# Altium PCB amp.PcbDoc (part 18 of 20)
Units mm, origin at the board's own origin, x right, y up, seen from the top; angles counter-clockwise.
Board outline 210 x 210 mm, 2 copper layers (Top Layer, Bottom Layer); 742 components, 1354 nets, 6402 pads, 5154 vias.
Unrouted connection lines stored in the file: 702.
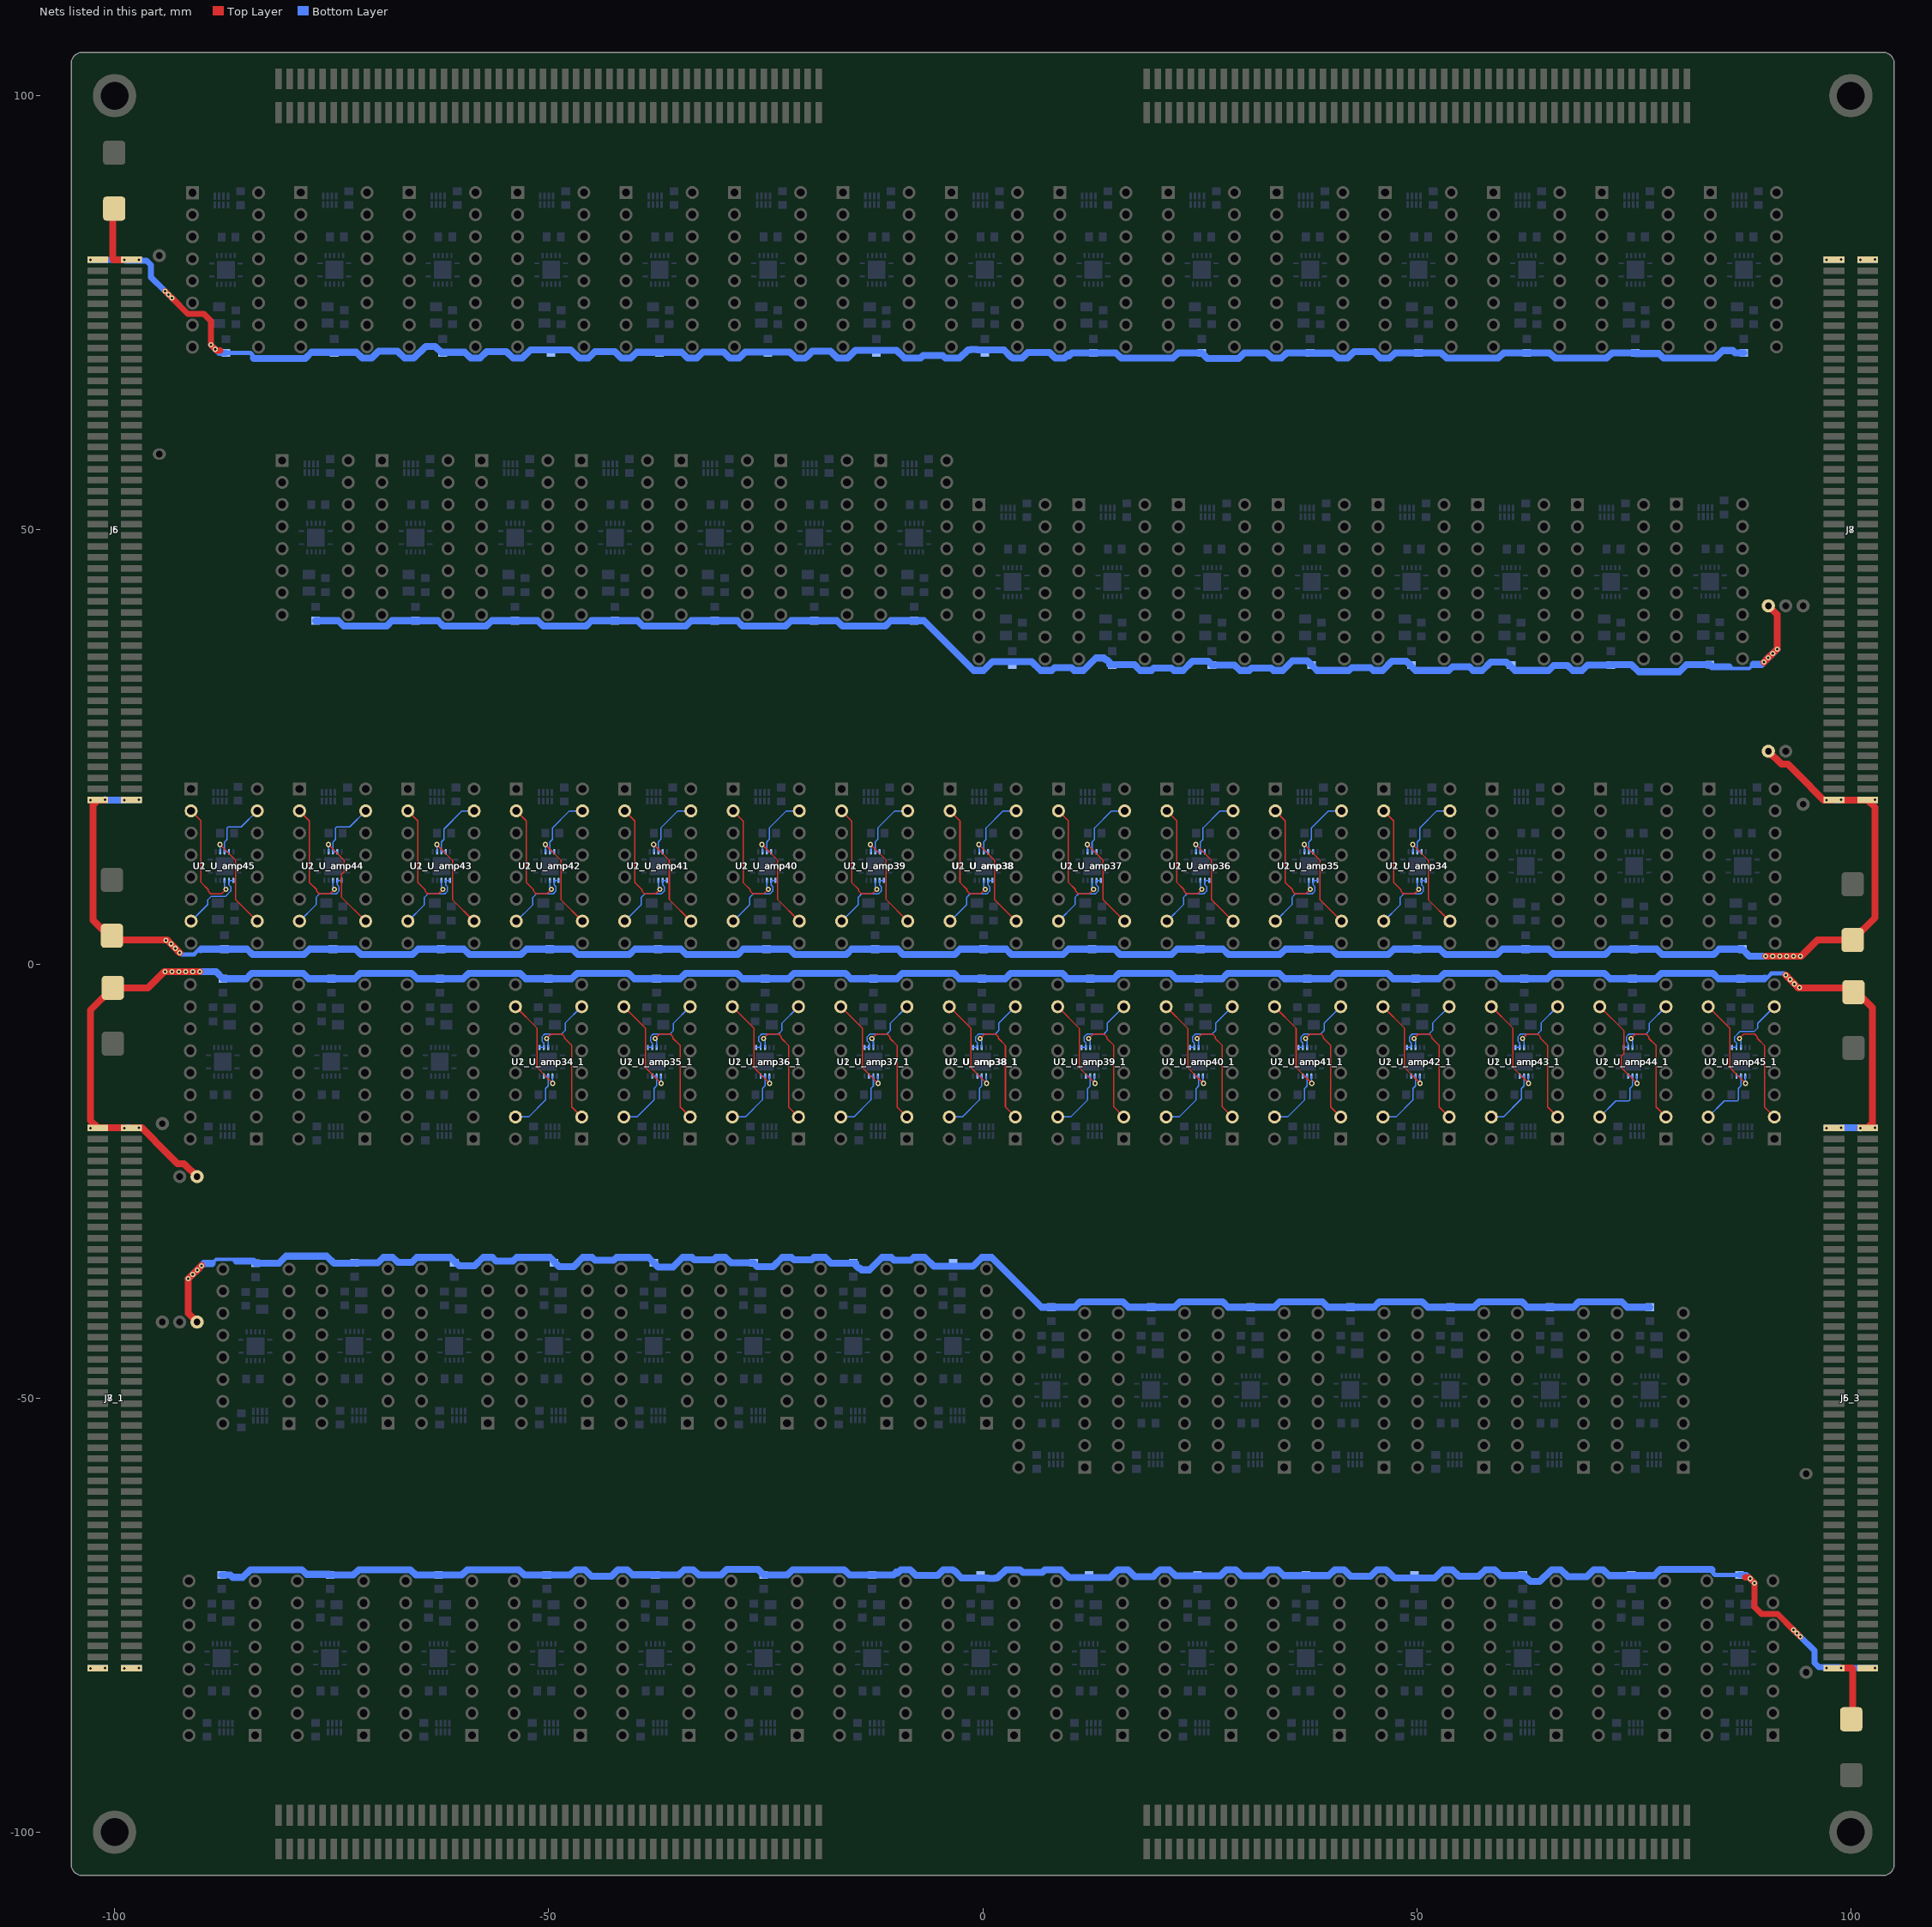
[diagram p18: the nets of this part, all layers, seen from the top]

## Via types
v1: diameter 0.6, hole 0.3, Top Layer to Bottom Layer, tented both sides, 4704 vias
v2: diameter 0.5, hole 0.3, Top Layer to Bottom Layer, 450 vias

## Nets (pads, with @x,y where several pads share a name; then routed paths per layer and width w, separated by ;. In a path a pad name is that pad's centre, name@x,y a point inside that pad or via, vN(x,y) a via of type N, cw(c..) or ccw(c..) an arc to the next point about the centre after c; other vN are vias at no path point) (continued)
NetU1_U_amp34_2: U1_U_amp34.2 U1_U_amp34.3 U1_U_amp34_1.2 U1_U_amp34_1.3 U2_U_amp34.7 U2_U_amp34_1.7 | length 16.6
  Bottom Layer w0.15: U1_U_amp34_1.2@-51.064,-9.618 U1_U_amp34_1.3@-50.564,-9.618 -50.556,-9.61 -50.556,-9.108 -50.765,-8.9 -50.765,-8.383 -50.449,-8.067 -48.509,-8.067 -48.102,-7.66 -48.102,-6.828 U2_U_amp34_1.7@-46.197,-4.923 ; U2_U_amp34.7@46.197,4.923 48.102,6.828 48.102,7.66 48.509,8.067 50.449,8.067 50.765,8.383 50.765,8.9 50.556,9.108 50.556,9.61 U1_U_amp34.3@50.564,9.618 U1_U_amp34.2@51.064,9.618
NetU1_U_amp34_4: U1_U_amp34.4 U1_U_amp34_1.4 U2_U_amp34.2 U2_U_amp34_1.2 | length 27.1
  Top Layer w0.15: v1(-50.24,-8.6) -49.714,-8.075 -48.475,-8.075 -48.167,-8.383 -48.167,-8.567 -47.344,-9.391 -47.344,-16.477 U2_U_amp34_1.2@-46.197,-17.623 ; U2_U_amp34.2@46.197,17.623 47.344,16.477 47.344,9.391 48.167,8.567 48.167,8.383 48.475,8.075 49.714,8.075 v1(50.24,8.6)
  Bottom Layer w0.15: U1_U_amp34_1.4@-50.064,-9.618 v1@-50.064,-8.54 ; v1@50.064,8.54 U1_U_amp34.4@50.064,9.618
NetU1_U_amp34_10: U1_U_amp34.10 U1_U_amp34_1.10 U2_U_amp34.10 U2_U_amp34_1.10 | length 22.9
  Top Layer w0.15: U2_U_amp34_1.10@-53.817,-4.923 -51.327,-7.414 -51.327,-11.954 v1(-49.524,-13.756) ; v1(49.524,13.756) 51.327,11.954 51.327,7.414 U2_U_amp34.10@53.817,4.923
  Bottom Layer w0.15: U1_U_amp34_1.10@-49.564,-12.918 -49.564,-13.716 v1(-49.524,-13.756) ; v1(49.524,13.756) 49.564,13.716 U1_U_amp34.10@49.564,12.918
NetU1_U_amp34_11: U1_U_amp34.11 U1_U_amp34.12 U1_U_amp34_1.11 U1_U_amp34_1.12 U2_U_amp34.15 U2_U_amp34_1.15 | length 15.3
  Bottom Layer w0.15: U2_U_amp34_1.15@-53.817,-17.623 -52.315,-17.623 -50.353,-15.661 -50.353,-14.341 -50.064,-14.052 U1_U_amp34_1.11@-50.064,-12.918 U1_U_amp34_1.12@-50.564,-12.918 ; U1_U_amp34.12@50.564,12.918 U1_U_amp34.11@50.064,12.918 50.064,14.052 50.353,14.341 50.353,15.661 52.315,17.623 U2_U_amp34.15@53.817,17.623
NetU1_U_amp35_2: U1_U_amp35.2 U1_U_amp35.3 U1_U_amp35_1.2 U1_U_amp35_1.3 U2_U_amp35.7 U2_U_amp35_1.7 | length 16.6
  Bottom Layer w0.15: U1_U_amp35_1.2@-38.574,-9.618 U1_U_amp35_1.3@-38.074,-9.618 -38.066,-9.61 -38.066,-9.108 -38.274,-8.9 -38.274,-8.383 -37.958,-8.067 -36.018,-8.067 -35.612,-7.66 -35.612,-6.828 U2_U_amp35_1.7@-33.707,-4.923 ; U2_U_amp35.7@33.707,4.923 35.612,6.828 35.612,7.66 36.018,8.067 37.958,8.067 38.274,8.383 38.274,8.9 38.066,9.108 38.066,9.61 U1_U_amp35.3@38.074,9.618 U1_U_amp35.2@38.574,9.618
NetU1_U_amp35_4: U1_U_amp35.4 U1_U_amp35_1.4 U2_U_amp35.2 U2_U_amp35_1.2 | length 27.1
  Top Layer w0.15: v1(-37.749,-8.6) -37.224,-8.075 -35.985,-8.075 -35.677,-8.383 -35.677,-8.567 -34.854,-9.391 -34.854,-16.477 U2_U_amp35_1.2@-33.707,-17.623 ; U2_U_amp35.2@33.707,17.623 34.854,16.477 34.854,9.391 35.677,8.567 35.677,8.383 35.985,8.075 37.224,8.075 v1(37.749,8.6)
  Bottom Layer w0.15: U1_U_amp35_1.4@-37.574,-9.618 v1@-37.574,-8.54 ; v1@37.574,8.54 U1_U_amp35.4@37.574,9.618
NetU1_U_amp35_10: U1_U_amp35.10 U1_U_amp35_1.10 U2_U_amp35.10 U2_U_amp35_1.10 | length 22.9
  Top Layer w0.15: U2_U_amp35_1.10@-41.327,-4.923 -38.837,-7.414 -38.837,-11.954 v1(-37.034,-13.756) ; v1(37.034,13.756) 38.837,11.954 38.837,7.414 U2_U_amp35.10@41.327,4.923
  Bottom Layer w0.15: U1_U_amp35_1.10@-37.074,-12.918 -37.074,-13.716 v1(-37.034,-13.756) ; v1(37.034,13.756) 37.074,13.716 U1_U_amp35.10@37.074,12.918
NetU1_U_amp35_11: U1_U_amp35.11 U1_U_amp35.12 U1_U_amp35_1.11 U1_U_amp35_1.12 U2_U_amp35.15 U2_U_amp35_1.15 | length 15.3
  Bottom Layer w0.15: U2_U_amp35_1.15@-41.327,-17.623 -39.825,-17.623 -37.863,-15.661 -37.863,-14.341 -37.574,-14.052 U1_U_amp35_1.11@-37.574,-12.918 U1_U_amp35_1.12@-38.074,-12.918 ; U1_U_amp35.12@38.074,12.918 U1_U_amp35.11@37.574,12.918 37.574,14.052 37.863,14.341 37.863,15.661 39.825,17.623 U2_U_amp35.15@41.327,17.623
NetU1_U_amp36_2: U1_U_amp36.2 U1_U_amp36.3 U1_U_amp36_1.2 U1_U_amp36_1.3 U2_U_amp36.7 U2_U_amp36_1.7 | length 16.6
  Bottom Layer w0.15: U1_U_amp36_1.2@-26.084,-9.618 U1_U_amp36_1.3@-25.584,-9.618 -25.576,-9.61 -25.576,-9.108 -25.784,-8.9 -25.784,-8.383 -25.468,-8.067 -23.528,-8.067 -23.122,-7.66 -23.122,-6.828 U2_U_amp36_1.7@-21.217,-4.923 ; U2_U_amp36.7@21.217,4.923 23.122,6.828 23.122,7.66 23.528,8.067 25.468,8.067 25.784,8.383 25.784,8.9 25.576,9.108 25.576,9.61 U1_U_amp36.3@25.584,9.618 U1_U_amp36.2@26.084,9.618
NetU1_U_amp36_4: U1_U_amp36.4 U1_U_amp36_1.4 U2_U_amp36.2 U2_U_amp36_1.2 | length 27.1
  Top Layer w0.15: v1(-25.259,-8.6) -24.734,-8.075 -23.495,-8.075 -23.187,-8.383 -23.187,-8.567 -22.363,-9.391 -22.363,-16.477 U2_U_amp36_1.2@-21.217,-17.623 ; U2_U_amp36.2@21.217,17.623 22.363,16.477 22.363,9.391 23.187,8.567 23.187,8.383 23.495,8.075 24.734,8.075 v1(25.259,8.6)
  Bottom Layer w0.15: U1_U_amp36_1.4@-25.084,-9.618 v1@-25.084,-8.54 ; v1@25.084,8.54 U1_U_amp36.4@25.084,9.618
NetU1_U_amp36_10: U1_U_amp36.10 U1_U_amp36_1.10 U2_U_amp36.10 U2_U_amp36_1.10 | length 22.9
  Top Layer w0.15: U2_U_amp36_1.10@-28.837,-4.923 -26.346,-7.414 -26.346,-11.954 v1(-24.544,-13.756) ; v1(24.544,13.756) 26.346,11.954 26.346,7.414 U2_U_amp36.10@28.837,4.923
  Bottom Layer w0.15: U1_U_amp36_1.10@-24.584,-12.918 -24.584,-13.716 v1(-24.544,-13.756) ; v1(24.544,13.756) 24.584,13.716 U1_U_amp36.10@24.584,12.918
NetU1_U_amp36_11: U1_U_amp36.11 U1_U_amp36.12 U1_U_amp36_1.11 U1_U_amp36_1.12 U2_U_amp36.15 U2_U_amp36_1.15 | length 15.3
  Bottom Layer w0.15: U2_U_amp36_1.15@-28.837,-17.623 -27.335,-17.623 -25.373,-15.661 -25.373,-14.341 -25.084,-14.052 U1_U_amp36_1.11@-25.084,-12.918 U1_U_amp36_1.12@-25.584,-12.918 ; U1_U_amp36.12@25.584,12.918 U1_U_amp36.11@25.084,12.918 25.084,14.052 25.373,14.341 25.373,15.661 27.335,17.623 U2_U_amp36.15@28.837,17.623
NetU1_U_amp37_2: U1_U_amp37.2 U1_U_amp37.3 U1_U_amp37_1.2 U1_U_amp37_1.3 U2_U_amp37.7 U2_U_amp37_1.7 | length 16.6
  Bottom Layer w0.15: U1_U_amp37_1.2@-13.594,-9.618 U1_U_amp37_1.3@-13.094,-9.618 -13.086,-9.61 -13.086,-9.108 -13.294,-8.9 -13.294,-8.383 -12.978,-8.067 -11.038,-8.067 -10.631,-7.66 -10.631,-6.828 U2_U_amp37_1.7@-8.727,-4.923 ; U2_U_amp37.7@8.727,4.923 10.631,6.828 10.631,7.66 11.038,8.067 12.978,8.067 13.294,8.383 13.294,8.9 13.086,9.108 13.086,9.61 U1_U_amp37.3@13.094,9.618 U1_U_amp37.2@13.594,9.618
NetU1_U_amp37_4: U1_U_amp37.4 U1_U_amp37_1.4 U2_U_amp37.2 U2_U_amp37_1.2 | length 27.1
  Top Layer w0.15: v1(-12.769,-8.6) -12.244,-8.075 -11.004,-8.075 -10.697,-8.383 -10.697,-8.567 -9.873,-9.391 -9.873,-16.477 U2_U_amp37_1.2@-8.727,-17.623 ; U2_U_amp37.2@8.727,17.623 9.873,16.477 9.873,9.391 10.697,8.567 10.697,8.383 11.004,8.075 12.244,8.075 v1(12.769,8.6)
  Bottom Layer w0.15: U1_U_amp37_1.4@-12.594,-9.618 v1@-12.594,-8.54 ; v1@12.594,8.54 U1_U_amp37.4@12.594,9.618
NetU1_U_amp37_10: U1_U_amp37.10 U1_U_amp37_1.10 U2_U_amp37.10 U2_U_amp37_1.10 | length 22.9
  Top Layer w0.15: U2_U_amp37_1.10@-16.347,-4.923 -13.856,-7.414 -13.856,-11.954 v1(-12.054,-13.756) ; v1(12.054,13.756) 13.856,11.954 13.856,7.414 U2_U_amp37.10@16.347,4.923
  Bottom Layer w0.15: U1_U_amp37_1.10@-12.094,-12.918 -12.094,-13.716 v1(-12.054,-13.756) ; v1(12.054,13.756) 12.094,13.716 U1_U_amp37.10@12.094,12.918
NetU1_U_amp37_11: U1_U_amp37.11 U1_U_amp37.12 U1_U_amp37_1.11 U1_U_amp37_1.12 U2_U_amp37.15 U2_U_amp37_1.15 | length 15.3
  Bottom Layer w0.15: U2_U_amp37_1.15@-16.347,-17.623 -14.844,-17.623 -12.883,-15.661 -12.883,-14.341 -12.594,-14.052 U1_U_amp37_1.11@-12.594,-12.918 U1_U_amp37_1.12@-13.094,-12.918 ; U1_U_amp37.12@13.094,12.918 U1_U_amp37.11@12.594,12.918 12.594,14.052 12.883,14.341 12.883,15.661 14.844,17.623 U2_U_amp37.15@16.347,17.623
NetU1_U_amp38_2: U1_U_amp38.2 U1_U_amp38.3 U1_U_amp38_1.2 U1_U_amp38_1.3 U2_U_amp38.7 U2_U_amp38_1.7 | length 16.6
  Bottom Layer w0.15: U2_U_amp38.7@-3.763,4.923 -1.859,6.828 -1.859,7.66 -1.452,8.067 0.488,8.067 0.804,8.383 0.804,8.9 0.596,9.108 0.596,9.61 U1_U_amp38.3@0.604,9.618 U1_U_amp38.2@1.104,9.618 ; U1_U_amp38_1.2@-1.104,-9.618 U1_U_amp38_1.3@-0.604,-9.618 -0.596,-9.61 -0.596,-9.108 -0.804,-8.9 -0.804,-8.383 -0.488,-8.067 1.452,-8.067 1.859,-7.66 1.859,-6.828 U2_U_amp38_1.7@3.763,-4.923
NetU1_U_amp38_4: U1_U_amp38.4 U1_U_amp38_1.4 U2_U_amp38.2 U2_U_amp38_1.2 | length 27.1
  Top Layer w0.15: U2_U_amp38.2@-3.763,17.623 -2.617,16.477 -2.617,9.391 -1.793,8.567 -1.793,8.383 -1.486,8.075 -0.246,8.075 v1(0.279,8.6) ; v1(-0.279,-8.6) 0.246,-8.075 1.486,-8.075 1.793,-8.383 1.793,-8.567 2.617,-9.391 2.617,-16.477 U2_U_amp38_1.2@3.763,-17.623
  Bottom Layer w0.15: U1_U_amp38_1.4@-0.104,-9.618 v1@-0.104,-8.54 ; v1@0.104,8.54 U1_U_amp38.4@0.104,9.618
NetU1_U_amp38_10: U1_U_amp38.10 U1_U_amp38_1.10 U2_U_amp38.10 U2_U_amp38_1.10 | length 22.9
  Top Layer w0.15: U2_U_amp38_1.10@-3.857,-4.923 -1.366,-7.414 -1.366,-11.954 v1(0.436,-13.756) ; v1(-0.436,13.756) 1.366,11.954 1.366,7.414 U2_U_amp38.10@3.857,4.923
  Bottom Layer w0.15: v1(-0.436,13.756) -0.396,13.716 U1_U_amp38.10@-0.396,12.918 ; U1_U_amp38_1.10@0.396,-12.918 0.396,-13.716 v1(0.436,-13.756)
NetU1_U_amp38_11: U1_U_amp38.11 U1_U_amp38.12 U1_U_amp38_1.11 U1_U_amp38_1.12 U2_U_amp38.15 U2_U_amp38_1.15 | length 15.3
  Bottom Layer w0.15: U2_U_amp38_1.15@-3.857,-17.623 -2.354,-17.623 -0.392,-15.661 -0.392,-14.341 -0.104,-14.052 U1_U_amp38_1.11@-0.104,-12.918 U1_U_amp38_1.12@-0.604,-12.918 ; U1_U_amp38.12@0.604,12.918 U1_U_amp38.11@0.104,12.918 0.104,14.052 0.392,14.341 0.392,15.661 2.354,17.623 U2_U_amp38.15@3.857,17.623
NetU1_U_amp39_2: U1_U_amp39.2 U1_U_amp39.3 U1_U_amp39_1.2 U1_U_amp39_1.3 U2_U_amp39.7 U2_U_amp39_1.7 | length 16.6
  Bottom Layer w0.15: U2_U_amp39.7@-16.254,4.923 -14.349,6.828 -14.349,7.66 -13.942,8.067 -12.002,8.067 -11.686,8.383 -11.686,8.9 -11.895,9.108 -11.895,9.61 U1_U_amp39.3@-11.887,9.618 U1_U_amp39.2@-11.387,9.618 ; U1_U_amp39_1.2@11.387,-9.618 U1_U_amp39_1.3@11.887,-9.618 11.895,-9.61 11.895,-9.108 11.686,-8.9 11.686,-8.383 12.002,-8.067 13.942,-8.067 14.349,-7.66 14.349,-6.828 U2_U_amp39_1.7@16.254,-4.923
NetU1_U_amp39_4: U1_U_amp39.4 U1_U_amp39_1.4 U2_U_amp39.2 U2_U_amp39_1.2 | length 27.1
  Top Layer w0.15: U2_U_amp39.2@-16.254,17.623 -15.107,16.477 -15.107,9.391 -14.284,8.567 -14.284,8.383 -13.976,8.075 -12.737,8.075 v1(-12.211,8.6) ; v1(12.211,-8.6) 12.737,-8.075 13.976,-8.075 14.284,-8.383 14.284,-8.567 15.107,-9.391 15.107,-16.477 U2_U_amp39_1.2@16.254,-17.623
  Bottom Layer w0.15: v1@-12.387,8.54 U1_U_amp39.4@-12.387,9.618 ; U1_U_amp39_1.4@12.387,-9.618 v1@12.387,-8.54
NetU1_U_amp39_10: U1_U_amp39.10 U1_U_amp39_1.10 U2_U_amp39.10 U2_U_amp39_1.10 | length 22.9
  Top Layer w0.15: v1(-12.927,13.756) -11.124,11.954 -11.124,7.414 U2_U_amp39.10@-8.634,4.923 ; U2_U_amp39_1.10@8.634,-4.923 11.124,-7.414 11.124,-11.954 v1(12.927,-13.756)
  Bottom Layer w0.15: v1(-12.927,13.756) -12.887,13.716 U1_U_amp39.10@-12.887,12.918 ; U1_U_amp39_1.10@12.887,-12.918 12.887,-13.716 v1(12.927,-13.756)
NetU1_U_amp39_11: U1_U_amp39.11 U1_U_amp39.12 U1_U_amp39_1.11 U1_U_amp39_1.12 U2_U_amp39.15 U2_U_amp39_1.15 | length 15.3
  Bottom Layer w0.15: U1_U_amp39.12@-11.887,12.918 U1_U_amp39.11@-12.387,12.918 -12.387,14.052 -12.098,14.341 -12.098,15.661 -10.136,17.623 U2_U_amp39.15@-8.634,17.623 ; U2_U_amp39_1.15@8.634,-17.623 10.136,-17.623 12.098,-15.661 12.098,-14.341 12.387,-14.052 U1_U_amp39_1.11@12.387,-12.918 U1_U_amp39_1.12@11.887,-12.918
NetU1_U_amp40_2: U1_U_amp40.2 U1_U_amp40.3 U1_U_amp40_1.2 U1_U_amp40_1.3 U2_U_amp40.7 U2_U_amp40_1.7 | length 16.6
  Bottom Layer w0.15: U2_U_amp40.7@-28.744,4.923 -26.839,6.828 -26.839,7.66 -26.433,8.067 -24.493,8.067 -24.177,8.383 -24.177,8.9 -24.385,9.108 -24.385,9.61 U1_U_amp40.3@-24.377,9.618 U1_U_amp40.2@-23.877,9.618 ; U1_U_amp40_1.2@23.877,-9.618 U1_U_amp40_1.3@24.377,-9.618 24.385,-9.61 24.385,-9.108 24.177,-8.9 24.177,-8.383 24.493,-8.067 26.433,-8.067 26.839,-7.66 26.839,-6.828 U2_U_amp40_1.7@28.744,-4.923
NetU1_U_amp40_4: U1_U_amp40.4 U1_U_amp40_1.4 U2_U_amp40.2 U2_U_amp40_1.2 | length 27.1
  Top Layer w0.15: U2_U_amp40.2@-28.744,17.623 -27.597,16.477 -27.597,9.391 -26.774,8.567 -26.774,8.383 -26.466,8.075 -25.227,8.075 v1(-24.702,8.6) ; v1(24.702,-8.6) 25.227,-8.075 26.466,-8.075 26.774,-8.383 26.774,-8.567 27.597,-9.391 27.597,-16.477 U2_U_amp40_1.2@28.744,-17.623
  Bottom Layer w0.15: v1@-24.877,8.54 U1_U_amp40.4@-24.877,9.618 ; U1_U_amp40_1.4@24.877,-9.618 v1@24.877,-8.54
NetU1_U_amp40_10: U1_U_amp40.10 U1_U_amp40_1.10 U2_U_amp40.10 U2_U_amp40_1.10 | length 22.9
  Top Layer w0.15: v1(-25.417,13.756) -23.614,11.954 -23.614,7.414 U2_U_amp40.10@-21.124,4.923 ; U2_U_amp40_1.10@21.124,-4.923 23.614,-7.414 23.614,-11.954 v1(25.417,-13.756)
  Bottom Layer w0.15: v1(-25.417,13.756) -25.377,13.716 U1_U_amp40.10@-25.377,12.918 ; U1_U_amp40_1.10@25.377,-12.918 25.377,-13.716 v1(25.417,-13.756)
NetU1_U_amp40_11: U1_U_amp40.11 U1_U_amp40.12 U1_U_amp40_1.11 U1_U_amp40_1.12 U2_U_amp40.15 U2_U_amp40_1.15 | length 15.3
  Bottom Layer w0.15: U1_U_amp40.12@-24.377,12.918 U1_U_amp40.11@-24.877,12.918 -24.877,14.052 -24.588,14.341 -24.588,15.661 -22.626,17.623 U2_U_amp40.15@-21.124,17.623 ; U2_U_amp40_1.15@21.124,-17.623 22.626,-17.623 24.588,-15.661 24.588,-14.341 24.877,-14.052 U1_U_amp40_1.11@24.877,-12.918 U1_U_amp40_1.12@24.377,-12.918
NetU1_U_amp41_2: U1_U_amp41.2 U1_U_amp41.3 U1_U_amp41_1.2 U1_U_amp41_1.3 U2_U_amp41.7 U2_U_amp41_1.7 | length 16.6
  Bottom Layer w0.15: U2_U_amp41.7@-41.234,4.923 -39.329,6.828 -39.329,7.66 -38.923,8.067 -36.983,8.067 -36.667,8.383 -36.667,8.9 -36.875,9.108 -36.875,9.61 U1_U_amp41.3@-36.867,9.618 U1_U_amp41.2@-36.367,9.618 ; U1_U_amp41_1.2@36.367,-9.618 U1_U_amp41_1.3@36.867,-9.618 36.875,-9.61 36.875,-9.108 36.667,-8.9 36.667,-8.383 36.983,-8.067 38.923,-8.067 39.329,-7.66 39.329,-6.828 U2_U_amp41_1.7@41.234,-4.923
NetU1_U_amp41_4: U1_U_amp41.4 U1_U_amp41_1.4 U2_U_amp41.2 U2_U_amp41_1.2 | length 27.1
  Top Layer w0.15: U2_U_amp41.2@-41.234,17.623 -40.088,16.477 -40.088,9.391 -39.264,8.567 -39.264,8.383 -38.956,8.075 -37.717,8.075 v1(-37.192,8.6) ; v1(37.192,-8.6) 37.717,-8.075 38.956,-8.075 39.264,-8.383 39.264,-8.567 40.088,-9.391 40.088,-16.477 U2_U_amp41_1.2@41.234,-17.623
  Bottom Layer w0.15: v1@-37.367,8.54 U1_U_amp41.4@-37.367,9.618 ; U1_U_amp41_1.4@37.367,-9.618 v1@37.367,-8.54
NetU1_U_amp41_10: U1_U_amp41.10 U1_U_amp41_1.10 U2_U_amp41.10 U2_U_amp41_1.10 | length 22.9
  Top Layer w0.15: v1(-37.907,13.756) -36.105,11.954 -36.105,7.414 U2_U_amp41.10@-33.614,4.923 ; U2_U_amp41_1.10@33.614,-4.923 36.105,-7.414 36.105,-11.954 v1(37.907,-13.756)
  Bottom Layer w0.15: v1(-37.907,13.756) -37.867,13.716 U1_U_amp41.10@-37.867,12.918 ; U1_U_amp41_1.10@37.867,-12.918 37.867,-13.716 v1(37.907,-13.756)
NetU1_U_amp41_11: U1_U_amp41.11 U1_U_amp41.12 U1_U_amp41_1.11 U1_U_amp41_1.12 U2_U_amp41.15 U2_U_amp41_1.15 | length 15.3
  Bottom Layer w0.15: U1_U_amp41.12@-36.867,12.918 U1_U_amp41.11@-37.367,12.918 -37.367,14.052 -37.078,14.341 -37.078,15.661 -35.116,17.623 U2_U_amp41.15@-33.614,17.623 ; U2_U_amp41_1.15@33.614,-17.623 35.116,-17.623 37.078,-15.661 37.078,-14.341 37.367,-14.052 U1_U_amp41_1.11@37.367,-12.918 U1_U_amp41_1.12@36.867,-12.918
NetU1_U_amp42_2: U1_U_amp42.2 U1_U_amp42.3 U1_U_amp42_1.2 U1_U_amp42_1.3 U2_U_amp42.7 U2_U_amp42_1.7 | length 16.6
  Bottom Layer w0.15: U2_U_amp42.7@-53.724,4.923 -51.82,6.828 -51.82,7.66 -51.413,8.067 -49.473,8.067 -49.157,8.383 -49.157,8.9 -49.365,9.108 -49.365,9.61 U1_U_amp42.3@-49.357,9.618 U1_U_amp42.2@-48.857,9.618 ; U1_U_amp42_1.2@48.857,-9.618 U1_U_amp42_1.3@49.357,-9.618 49.365,-9.61 49.365,-9.108 49.157,-8.9 49.157,-8.383 49.473,-8.067 51.413,-8.067 51.82,-7.66 51.82,-6.828 U2_U_amp42_1.7@53.724,-4.923
NetU1_U_amp42_4: U1_U_amp42.4 U1_U_amp42_1.4 U2_U_amp42.2 U2_U_amp42_1.2 | length 27.1
  Top Layer w0.15: U2_U_amp42.2@-53.724,17.623 -52.578,16.477 -52.578,9.391 -51.754,8.567 -51.754,8.383 -51.447,8.075 -50.207,8.075 v1(-49.682,8.6) ; v1(49.682,-8.6) 50.207,-8.075 51.447,-8.075 51.754,-8.383 51.754,-8.567 52.578,-9.391 52.578,-16.477 U2_U_amp42_1.2@53.724,-17.623
  Bottom Layer w0.15: v1@-49.857,8.54 U1_U_amp42.4@-49.857,9.618 ; U1_U_amp42_1.4@49.857,-9.618 v1@49.857,-8.54
NetU1_U_amp42_10: U1_U_amp42.10 U1_U_amp42_1.10 U2_U_amp42.10 U2_U_amp42_1.10 | length 22.9
  Top Layer w0.15: v1(-50.397,13.756) -48.595,11.954 -48.595,7.414 U2_U_amp42.10@-46.104,4.923 ; U2_U_amp42_1.10@46.104,-4.923 48.595,-7.414 48.595,-11.954 v1(50.397,-13.756)
  Bottom Layer w0.15: v1(-50.397,13.756) -50.357,13.716 U1_U_amp42.10@-50.357,12.918 ; U1_U_amp42_1.10@50.357,-12.918 50.357,-13.716 v1(50.397,-13.756)
NetU1_U_amp42_11: U1_U_amp42.11 U1_U_amp42.12 U1_U_amp42_1.11 U1_U_amp42_1.12 U2_U_amp42.15 U2_U_amp42_1.15 | length 15.3